# Altium PCB FPGAboard.PcbDoc (part 1 of 2) (continued)
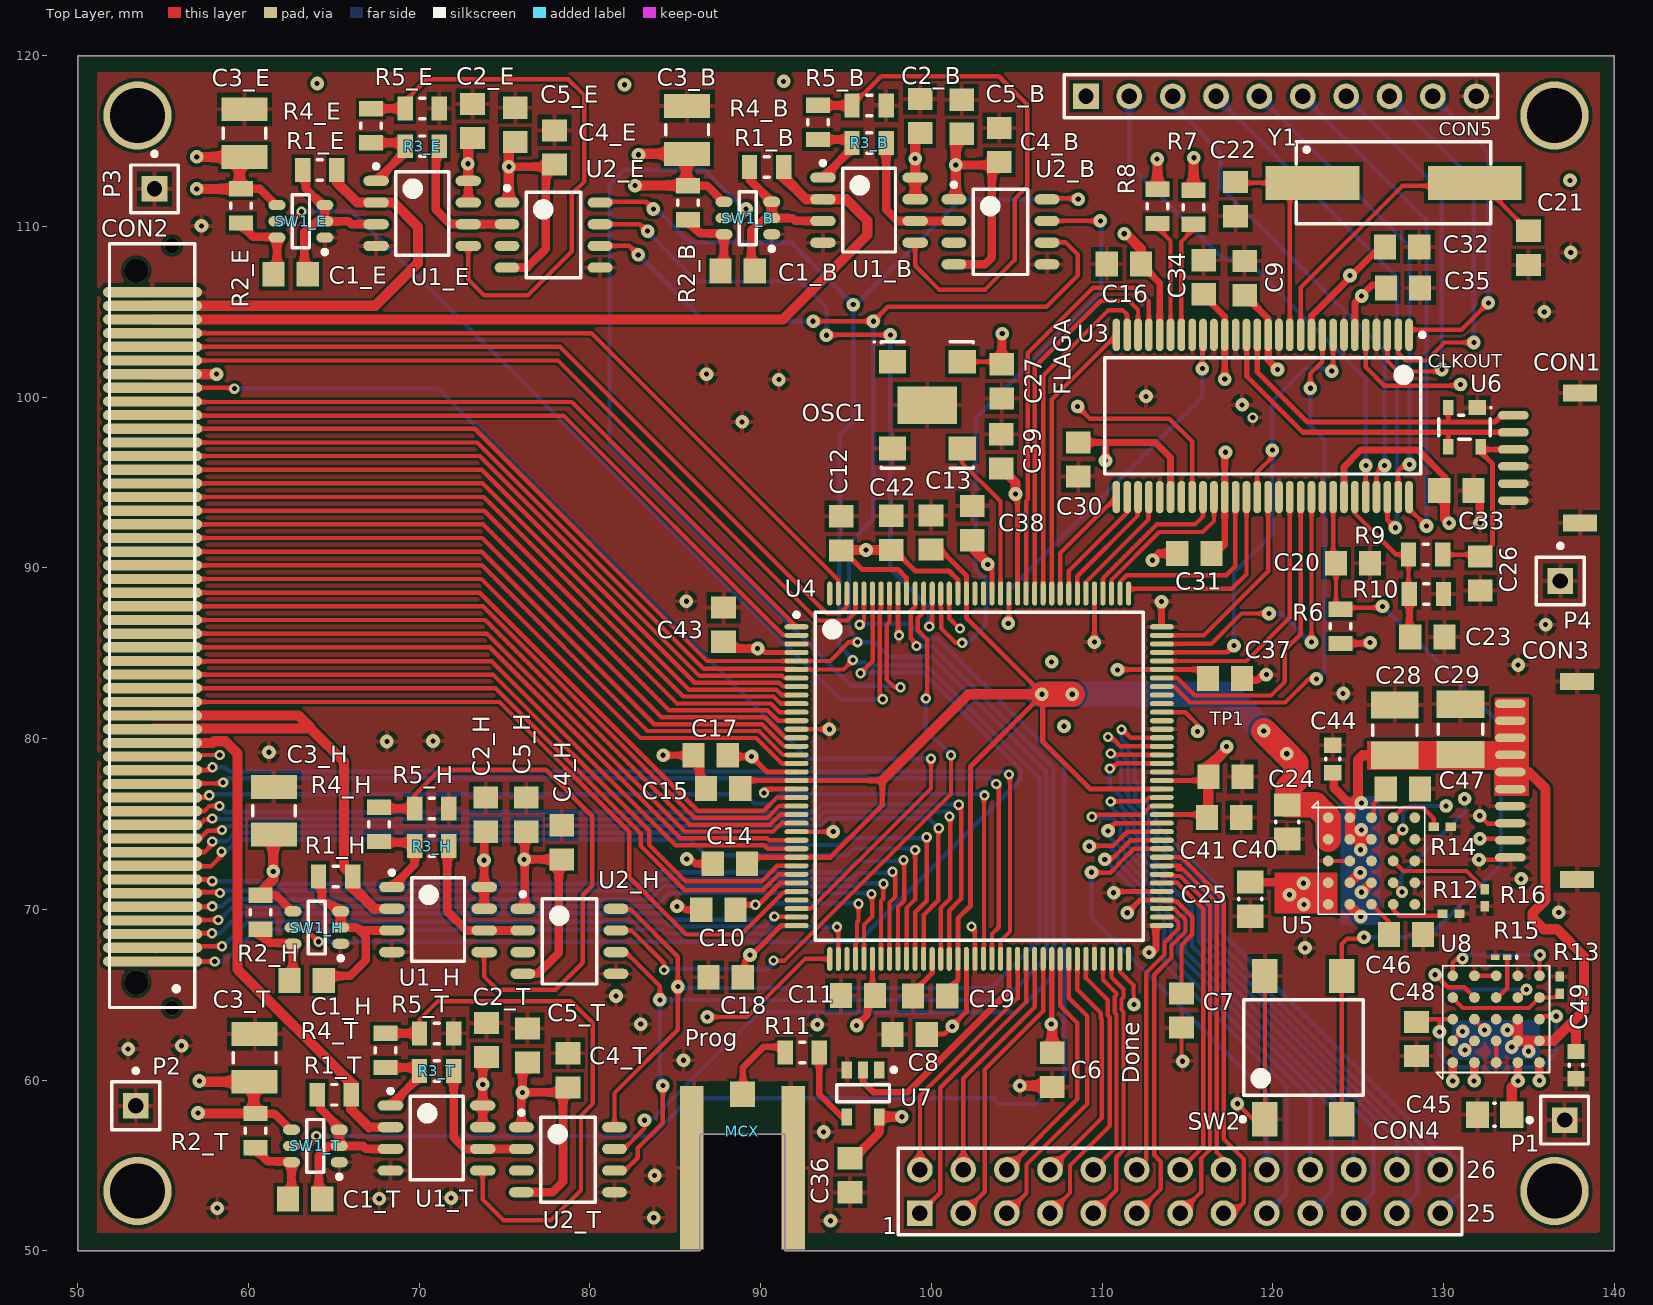
[diagram p0: Top Layer view]
## Part data (continued)
R7 R8: Case Code - in=0805, Case Code - mm=2012, Manufacturer=Vishay, Operating Temperature Range="- 55 C to + 155 C", Package / Case="0805 (2012 metric)", Power Rating="125 mW (1/8 W)", Resistance="2.2 kOhms", Supplier Part Number 1=541-2.20KCCT-ND, Temperature Coefficient="100 PPM / K", Tolerance="1 %", Voltage Rating="150 V", Brand="Vishay / Dale", ComponentLink1Description=https://datasheet.ciiva.com/11808/0900766b80d98b26-11808384.pdf, ComponentLink1URL=https://datasheet.ciiva.com/11808/0900766b80d98b26-11808384.pdf, ComponentLink2Description=https://datasheet.ciiva.com/5546/dcrcwe3-109170-5546726.pdf, ComponentLink2URL=https://datasheet.ciiva.com/5546/dcrcwe3-109170-5546726.pdf, ComponentLink3Description=https://datasheet.ciiva.com/17201/dcrcwe3-17201814.pdf, ComponentLink3URL=https://datasheet.ciiva.com/17201/dcrcwe3-17201814.pdf, ComponentLink4Description=https://datasheet.ciiva.com/7777/1697337-7777385.pdf, ComponentLink4URL=https://datasheet.ciiva.com/7777/1697337-7777385.pdf, ComponentLink5Description=https://datasheet.ciiva.com/16201/dcrcwe3-16201450.pdf, ComponentLink5URL=https://datasheet.ciiva.com/16201/dcrcwe3-16201450.pdf, ComponentLink6Description=https://datasheet.ciiva.com/7777/1720486-7777611.pdf, ComponentLink6URL=https://datasheet.ciiva.com/7777/1720486-7777611.pdf, ComponentLink7Description=https://datasheet.ciiva.com/16770/70201119-16770763.pdf, ComponentLink7URL=https://datasheet.ciiva.com/16770/70201119-16770763.pdf, ComponentLink8Description=https://datasheet.ciiva.com/2525/dcrcwe3-2525869.pdf, ComponentLink8URL=https://datasheet.ciiva.com/2525/dcrcwe3-2525869.pdf, ComponentLink9Description=https://datasheet.ciiva.com/2525/dcrcwe3-2525870.pdf, ComponentLink9URL=https://datasheet.ciiva.com/2525/dcrcwe3-2525870.pdf, ComponentLink10Description=https://datasheet.ciiva.com/3258/dcrcwe3-3258430.pdf, ComponentLink10URL=https://datasheet.ciiva.com/3258/dcrcwe3-3258430.pdf, ComponentLink11Description=https://datasheet.ciiva.com/2525/dcrcwe3-2525871.pdf, ComponentLink11URL=https://datasheet.ciiva.com/2525/dcrcwe3-2525871.pdf, ComponentLink12Description=https://datasheet.ciiva.com/3258/dcrcwe3-3258431.pdf, ComponentLink12URL=https://datasheet.ciiva.com/3258/dcrcwe3-3258431.pdf, Factory Pack Quantity=5000, Height="0.45 mm", Length="2 mm", Manufacturer Part Number=CRCW08052K20FKEA, Packaging=Reel, Pricing 1="1=0.1, 10=0.046, 100=0.0187, 1000=0.0084, 2500=0.0073 (USD)", Product="Thick Film Resistors SMD", Product Category="Thick Film Resistors - SMD", RoHS=Details, Series=CRCW, Stock 1=0, Supplier 1=Digikey, Termination Style=SMD/SMT, Unit Weight="0.000194 oz", Width="1.25 mm"
R12 R13 R14 R16: library part "RES 0402", "402 Resistor"
R15: library part "RES 0603", "603 Resistor"
SW1_B SW1_E SW1_H SW1_T: "IC LOAD SW HIGH SIDE 6SOT", Current - Output (Max)=3A, Manufacturer="Texas Instruments (TI)", Manufacturer Product Page="TPS27082LDDCR Specifications", Operating Temperature="-40°C ~ 125°C (TA)", Package / Case="SOT-23-6 Thin, TSOT-23-6", Standard Package=1, Supplier Device Package=6-SOT, Supplier Part Number 1=296-35595-1-ND, Voltage - Load="1.2 V ~ 8 V", Voltage - Supply (Vcc/Vdd)="Not Required", Category="Integrated Circuits (ICs)", ComponentLink1Description=https://datasheet.ciiva.com/6602/tps27082l-6602787.pdf, ComponentLink1URL=https://datasheet.ciiva.com/6602/tps27082l-6602787.pdf, ComponentLink2Description=https://datasheet.ciiva.com/6602/tps27082l-6602790.pdf, ComponentLink2URL=https://datasheet.ciiva.com/6602/tps27082l-6602790.pdf, ComponentLink3Description=https://datasheet.ciiva.com/26909/getdatasheetpartid-700474-26909275.pdf, ComponentLink3URL=https://datasheet.ciiva.com/26909/getdatasheetpartid-700474-26909275.pdf, EDA / CAD Models="Download from Accelerated Designs", Family="PMIC - Power Distribution Switches, Load Drivers", Features="Slew Rate Controlled", Interface=On/Off, Manufacturer Part Number=TPS27082LDDCR, Number of Outputs=1, Online Catalog="General Purpose", Other Names=296-35595-6, Output Configuration="High Side", Output Type=P-Channel, Packaging=Digi-Reel®, Pricing 1="1=0.54, 10=0.46, 100=0.3432, 500=0.2697, 1000=0.2084 (USD)", Ratio - Input:Output=1:1, Rds On (Typ)="32 mOhm", Stock 1=0, Supplier 1=Digikey, Switch Type="General Purpose"
SW2: "SWITCH TACTILE SPST-NO 0.05A 12V", Actuator Color=N/A, Contact Rating @ Voltage="0.05@12VDC A", Dielectric Strength="250 VAC", Manufacturer="ITT /  C&K Components", Manufacturer Part Number=PTS645SM43SMTR92LFS, Maximum Contact Resistance="100 mOhm", Maximum DC Voltage Rating="12 V", Minimum Insulation Resistance="100000 MOhm", Operating Force="1.57 N", Operating Temperature="-20 to 60 C", Supplier Part Number 1=CKN9112CT-ND, Actuator Length="0.85 mm", Actuator Style="Round Button", Base Material=N/A, Body Orientation=Straight, ComponentLink1Description=https://datasheet.ciiva.com/29903/getdatasheetpartid-786341-29903846.pdf, ComponentLink1URL=https://datasheet.ciiva.com/29903/getdatasheetpartid-786341-29903846.pdf, ComponentLink2Description=https://datasheet.ciiva.com/14920/pts645-14920733.pdf, ComponentLink2URL=https://datasheet.ciiva.com/14920/pts645-14920733.pdf, ComponentLink3Description=https://datasheet.ciiva.com/14920/pts645-14920734.pdf, ComponentLink3URL=https://datasheet.ciiva.com/14920/pts645-14920734.pdf, ComponentLink4Description=https://datasheet.ciiva.com/14920/pts645-14920735.pdf, ComponentLink4URL=https://datasheet.ciiva.com/14920/pts645-14920735.pdf, ComponentLink5Description=https://datasheet.ciiva.com/29931/getdatasheetpartid-764615-29931183.pdf, ComponentLink5URL=https://datasheet.ciiva.com/29931/getdatasheetpartid-764615-29931183.pdf, Contact Material=N/A, Contact Plating=Silver, Dimension="6 x 9 x 4.3 mm", Electrical Life=N/A, Family=PTS645, Ground Terminal=No, Housing Material=N/A, Illumination Type=N/R, Maximum AC Voltage Rating=N/A, Mechanical Life="100000 Cycles", Mounting="Surface Mount,Gull Wing", Packaging="Tape and Reel", Part No=PTS645SM43SMTR92LFS, Pole Throw Configuration=SPST, Pricing 1="1=0.15, 10=0.147, 25=0.1416, 50=0.1366, 100=0.129, 250=0.1214, 500=0.1164 (USD)", Product Weight=N/A, RoHS=Yes, Seal Description=N/A, Seal Location=N/A, Stock 1=468020, Supplier 1="C&K Components", Supplier Standard Pack=1,000, Switch Configuration=N.O., Type=N/A
U1_B U1_E U1_H U1_T: "IC OPAMP INSTR 35MHZ RRO 8SOIC", Dual Supply Voltage (Max)="Not RequiredV", Input Offset Voltage=500uV, Manufacturer=Microchip, Operating Temperature Classification=Automotive, Operating Temp Range="-40C to 125C", Package Type="SOIC N", Power Supply Rejection Ratio=81dB, Power Supply Requirement=Single, Single Supply Voltage (Max)=5.5V, Single Supply Voltage (Min)=1.8V, Single Supply Voltage (Typ)=3.3/5V, Supplier Part Number 1=MCP6N11-010E/SN-ND, Voltage Gain dB=20dB, Common Mode Rejection Ratio=79dB, ComponentLink1Description=https://datasheet.ciiva.com/2976/25073a-2976288.pdf, ComponentLink1URL=https://datasheet.ciiva.com/2976/25073a-2976288.pdf, ComponentLink2Description=https://datasheet.ciiva.com/1486/1503745-1486594.pdf, ComponentLink2URL=https://datasheet.ciiva.com/1486/1503745-1486594.pdf, ComponentLink3Description=https://datasheet.ciiva.com/1486/1503745-1486355.pdf, ComponentLink3URL=https://datasheet.ciiva.com/1486/1503745-1486355.pdf, ComponentLink4Description=https://datasheet.ciiva.com/4754/25073a-75155-4754501.pdf, ComponentLink4URL=https://datasheet.ciiva.com/4754/25073a-75155-4754501.pdf, ComponentLink5Description=https://datasheet.ciiva.com/1802/25073a-1802844.pdf, ComponentLink5URL=https://datasheet.ciiva.com/1802/25073a-1802844.pdf, ComponentLink6Description=https://datasheet.ciiva.com/14180/mcp6n11-eng-tds-14180237.pdf, ComponentLink6URL=https://datasheet.ciiva.com/14180/mcp6n11-eng-tds-14180237.pdf, ComponentLink7Description=https://datasheet.ciiva.com/16294/filehandler-aspxddocname-en555932-16294590.pdf, ComponentLink7URL=https://datasheet.ciiva.com/16294/filehandler-aspxddocname-en555932-16294590.pdf, Dual Supply Voltage (Min)="Not RequiredV", Dual Supply Voltage (Typ)="Not RequiredV", Manufacturer Part Number=MCP6N11-010E/SN, Mounting="Surface Mount", Number of Channels=1, Number of  Elements=2, Packaging=Rail/Tube, Pin Count=8, Pricing 1="1=1.43, 25=1.198, 100=1.0812 (USD)", Rail/Rail I/O Type="Rail to Rail Input/Output", Stock 1=314, Supplier 1=Digi-Key, Type="Instrumentation Amplifier", Unity Gain Bandwidth Product (Typ)=5MHz
U2_B U2_E U2_H U2_T: "IC ADC 12BIT SERIAL 8-SOIC", Manufacturer=Maxim, Package="8SOIC N", Polarity of Input Voltage=Unipolar, Supplier Part Number 1=MAX1240CESA+-ND, Architecture=SAR, Category=ADC, ComponentLink1Description=https://datasheet.ciiva.com/14260/max1240-max1241-14260953.pdf, ComponentLink1URL=https://datasheet.ciiva.com/14260/max1240-max1241-14260953.pdf, ComponentLink2Description=https://datasheet.ciiva.com/1317/max1240-max1241-1317695.pdf, ComponentLink2URL=https://datasheet.ciiva.com/1317/max1240-max1241-1317695.pdf, Digital Interface Type="Serial (3-Wire, SPI, QSPI, Microwire)", Input Type=Voltage, Manufacturer Part Number=MAX1240CESA+, Number of Analog Inputs=1, Pricing 1="1=7.97, 10=7.572, 50=7.5226 (USD)", Resolution="12 Bit", Sampling Rate="73 ksps", Stock 1=187, Supplier 1=Digikey
U3: "IC MCU USB PERIPH HI SPD 56SSOP", Manufacturer=Cypress, Maximum Clock Frequency="48 MHz", Maximum Operating Temperature="+ 70 C", Minimum Operating Temperature="0 C", Operating Supply Voltage="3 V to 3.6 V", Operating Temperature Range="0 C to + 70 C", Package / Case=SSOP-56, Supplier Part Number 1=428-1673-ND, Supply Voltage - Max="3.6 V", Supply Voltage - Min="3 V", ComponentLink1Description=https://datasheet.ciiva.com/7627/43447-7627897.pdf, ComponentLink1URL=https://datasheet.ciiva.com/7627/43447-7627897.pdf, ComponentLink2Description=https://datasheet.ciiva.com/5824/43447-5824174.pdf, ComponentLink2URL=https://datasheet.ciiva.com/5824/43447-5824174.pdf, ComponentLink3Description=https://datasheet.ciiva.com/26821/cy7c68014a-56pvxc-26821370.pdf, ComponentLink3URL=https://datasheet.ciiva.com/26821/cy7c68014a-56pvxc-26821370.pdf, Core=8051, Data Bus Width="8 bit/16 bit", Data RAM Size="16 KB", Factory Pack Quantity=26, Interface Type="GPIF, I2C, USART", Manufacturer Part Number=CY7C68014A-56PVXC, Mounting Style=SMD/SMT, Number of Programmable I/Os=24, Number of Timers=3, On-Chip ADC=No, Packaging=Tube, Pricing 1="1=13.46, 10=12.24, 52=11.3219, 104=10.404, 260=9.486, 520=8.874, 1040=8.1396 (USD)", Processor Series=CY7C68xx, Product Category="8-bit Microcontrollers - MCU", Program Memory Type=ROMLess, RoHS=Details, Stock 1=503, Supplier 1=Digikey
U4: "IC FPGA 102 I/O 144TQFP", Manufacturer=Xilinx, Operating Temperature="-40°C ~ 100°C (TJ)", Package / Case=144-LQFP, Standard Package=1, Supplier Device Package="144-TQFP (20x20)", Supplier Part Number 1=122-1748-ND, Voltage - Supply="1.14 V ~ 1.26 V", Category="Integrated Circuits (ICs)", ComponentLink1Description=https://datasheet.ciiva.com/1442/ds160-1442503.pdf, ComponentLink1URL=https://datasheet.ciiva.com/1442/ds160-1442503.pdf, Family="Embedded - FPGAs (Field Programmable Gate Array)", For Use With="1286-1046-ND                                                          - BOARD CMOD S6 FPGA 48DIP                                                     102990017-ND                                                          - PAPILIO PRO                                                     DEV-11953-ND                                                          - DEV BOARD MOJO V3 FPGA", Manufacturer Part Number=XC6SLX9-3TQG144I, Mounting Type="Surface Mount", Number of Gates=-, Number of I/O=102, Number of LABs/CLBs=715, Number of Logic Elements/Cells=9152, Online Catalog="Spartan®-6 LX", Other Names="122-1748  XC6SLX9-3TQG144I-ND  XC6SLX93TQG144I", PCN Design/Specification="Shipping Tray TQ144 and TQG144 12/Aug/2013", Pricing 1="1=20.86 (USD)", Product Training Modules="S6 Family Overview", Series="Spartan® 6 LX", Stock 1=2437, Supplier 1=Digikey, Total RAM Bits=589824
U5 U8: library part LTM4622, "Dual Ultrathin 2.5A or Single 5A Step-Down DC/DC µModule Regulator", Ref=LTM4622IV#PBF
U6: "TVS DIODE 5.5VWM SOT143B", Capacitance Value=16pF, ESD Protection Voltage="8KV@Contact Disc", Leakage Current=0.1uA, Manufacturer="NXP Semiconductors", Operating Temperature Classification=Industrial, Operating Temperature Max Deg. C=85C, Operating Temperature Min Deg. C=-40C, Operating Temp Range="-40C to 85C", Package / Case=SOT, Reverse Breakdown Voltage="6 V", Reverse Stand-off Voltage="5.5 V", Supplier Part Number 1=1727-3884-1-ND, Working Voltage=5.5V, ComponentLink1Description=https://datasheet.ciiva.com/4479/prtr5v0u2x-102853-4479461.pdf, ComponentLink1URL=https://datasheet.ciiva.com/4479/prtr5v0u2x-102853-4479461.pdf, ComponentLink2Description=https://datasheet.ciiva.com/16199/prtr5v0u2x-16199605.pdf, ComponentLink2URL=https://datasheet.ciiva.com/16199/prtr5v0u2x-16199605.pdf, ComponentLink3Description=https://datasheet.ciiva.com/28409/109718-28409830.pdf, ComponentLink3URL=https://datasheet.ciiva.com/28409/109718-28409830.pdf, ComponentLink4Description=https://datasheet.ciiva.com/6918/109718-6918650.pdf, ComponentLink4URL=https://datasheet.ciiva.com/6918/109718-6918650.pdf, ComponentLink5Description=https://datasheet.ciiva.com/335/prtr5v0u2x-335467.pdf, ComponentLink5URL=https://datasheet.ciiva.com/335/prtr5v0u2x-335467.pdf, ComponentLink6Description=https://datasheet.ciiva.com/25919/prtr5v0u2x-25919147.pdf, ComponentLink6URL=https://datasheet.ciiva.com/25919/prtr5v0u2x-25919147.pdf, ComponentLink7Description=https://datasheet.ciiva.com/11193/prtr5v0u2x-11193230.pdf, ComponentLink7URL=https://datasheet.ciiva.com/11193/prtr5v0u2x-11193230.pdf, ComponentLink8Description=https://datasheet.ciiva.com/31402/109718-31402206.pdf, ComponentLink8URL=https://datasheet.ciiva.com/31402/109718-31402206.pdf, ComponentLink9Description=https://datasheet.ciiva.com/26787/prtr5v0u2x-215-26787348.pdf, ComponentLink9URL=https://datasheet.ciiva.com/26787/prtr5v0u2x-215-26787348.pdf, Configuration=Quad, Direction Type=Uni-Directional, Leakage Current (Max)=0.1uA, Manufacturer Part Number=PRTR5V0U2X,215, Mounting="Surface Mount", Mounting Style="Surface Mount", Number of  Elements=1, Package Type=SOT, Packaging="Tape and Reel", Pin Count="3 +Tab", Polarity=Uni-Directional, Pricing 1="1=0.52, 10=0.447, 100=0.334, 500=0.2624, 1000=0.2028 (USD)", Product Depth (mm)="1.4 mm", Product Height (mm)="1 mm", Product Length (mm)="3 mm", Rad Hardened=No, Stock 1=73838, Supplier 1=Digi-Key, Suppressor Type="Diode Arrays", Working Voltage (Max)=5.5V
U7: "IC SNGL INVERTER GATE", Current - Output High, Low="32mA, 32mA", Current - Quiescent (Max)=10µA, Manufacturer="Texas Instruments", Operating Temperature="-40°C ~ 125°C", Package / Case="SC-74A, SOT-753", Standard Package=1, Supplier Device Package=SOT-23-5, Supplier Part Number 1=296-26588-1-ND, Voltage - Supply="1.65 V ~ 5.5 V", Category="Integrated Circuits (ICs)", ComponentLink1Description=https://datasheet.ciiva.com/1864/sn74lvc1g04-q1-1864823.pdf, ComponentLink1URL=https://datasheet.ciiva.com/1864/sn74lvc1g04-q1-1864823.pdf, ComponentLink2Description=https://datasheet.ciiva.com/1864/sn74lvc1g04-q1-1864824.pdf, ComponentLink2URL=https://datasheet.ciiva.com/1864/sn74lvc1g04-q1-1864824.pdf, ComponentLink3Description=https://datasheet.ciiva.com/1864/sn74lvc1g04-q1-1864825.pdf, ComponentLink3URL=https://datasheet.ciiva.com/1864/sn74lvc1g04-q1-1864825.pdf, ComponentLink4Description=https://datasheet.ciiva.com/4219/sces482d-4219660.pdf, ComponentLink4URL=https://datasheet.ciiva.com/4219/sces482d-4219660.pdf, ComponentLink5Description=https://datasheet.ciiva.com/26044/sn74lvc1g04-q1-26044156.pdf, ComponentLink5URL=https://datasheet.ciiva.com/26044/sn74lvc1g04-q1-26044156.pdf, ComponentLink6Description=https://datasheet.ciiva.com/15089/getdatasheetpartid-190022-15089373.pdf, ComponentLink6URL=https://datasheet.ciiva.com/15089/getdatasheetpartid-190022-15089373.pdf, Dynamic Catalog=74LVC, Family="Logic - Gates and Inverters", Features=-, Logic Level - High="1.7 V ~ 2 V", Logic Level - Low="0.7 V ~ 0.8 V", Logic Type="Inverter, Buffer", Manufacturer Part Number=SN74LVC1G04QDBVRQ1, Max Propagation Delay @ V, Max CL="3.7ns @ 5V, 50pF", Mounting Type="Surface Mount", Number of Circuits=1, Number of Inputs=1, Other Names=296-26588-6, Packaging=Digi-Reel®, Pricing 1="1=0.35, 10=0.286, 100=0.1945, 500=0.1458, 1000=0.1094 (USD)", Series=74LVC, Stock 1=4515, Supplier 1=Digi-Key
Y1: library part AT-24.000MAGE-T, "24MHz ±30ppm Crystal 12pF 50 Ohm -40°C ~ 85°C AEC-Q200 Surface Mount HC49/US", ESR (Equivalent Series Resistance)="50 Ohm", Frequency=24MHz, Frequency Stability=±50ppm, Frequency Tolerance=±30ppm, Load Capacitance=12pF, Manufacturer=TXC, Operating Mode=Fundamental, Operating Temperature="-40°C ~ 85°C", Package / Case=HC49/US, Ratings=AEC-Q200, Standard Package=1, Supplier Part Number 1=887-1613-1-ND, Category="Crystals and Oscillators", ComponentLink1Description=https://datasheet.ciiva.com/4946/at-automotive-3382-4946832.pdf, ComponentLink1URL=https://datasheet.ciiva.com/4946/at-automotive-3382-4946832.pdf, ComponentLink2Description=https://datasheet.ciiva.com/8047/1639142-8047989.pdf, ComponentLink2URL=https://datasheet.ciiva.com/8047/1639142-8047989.pdf, ComponentLink3Description=https://datasheet.ciiva.com/6728/at-automotive-6728858.pdf, ComponentLink3URL=https://datasheet.ciiva.com/6728/at-automotive-6728858.pdf, ComponentLink4Description=https://datasheet.ciiva.com/6728/at-automotive-6728859.pdf, ComponentLink4URL=https://datasheet.ciiva.com/6728/at-automotive-6728859.pdf, ComponentLink5Description=https://datasheet.ciiva.com/6728/at-automotive-6728860.pdf, ComponentLink5URL=https://datasheet.ciiva.com/6728/at-automotive-6728860.pdf, Family=Crystals, Height="0.161\" (4.10mm)", Manufacturer Part Number=AT-24.000MAGE-T, Mounting Type="Surface Mount", Online Catalog="AT Series", Other Names=887-1613-6, Packaging=Digi-Reel®, Pricing 1="1=0.66, 10=0.55, 50=0.495, 100=0.44, 500=0.418 (USD)", Series=AT, Size / Dimension="0.449\" L x 0.189\" W (11.40mm x 4.80mm)", Stock 1=380, Supplier 1=Digikey, Type="MHz Crystal"
P1 P2 P3 P4: LatestRevisionDate=17-Jul-2002, LatestRevisionNote="Re-released for DXP Platform.", Publisher="Altium Limited"

## Free pads (board coordinates)
  round 0.8 hole 0.3: 3(130.15,76.056) 3(131.236,76.479)
  round 4 hole 3.2: MH1(53.5,53.5) MH1(53.5,116.5) MH1(136.5,53.5) MH1(136.5,116.5)

## Via types
v1: diameter 0.8, hole 0.3, Top Layer to Bottom Layer, 160 vias
v2: diameter 0.6, hole 0.3, Top Layer to Bottom Layer, 61 vias
v3: diameter 0.7, hole 0.3, Top Layer to Bottom Layer, 5 vias
v4: diameter 1.42, hole 1.42, Top Layer to Bottom Layer, 2 vias
v5: diameter 0.9, hole 0.9, Top Layer to Bottom Layer, 2 vias

## Nets (pads, with @x,y where several pads share a name; then routed paths per layer and width w, separated by ;. In a path a pad name is that pad's centre, name@x,y a point inside that pad or via, vN(x,y) a via of type N, cw(c..) or ccw(c..) an arc to the next point about the centre after c; other vN are vias at no path point)
1V2P: C13.1 C14.1 C15.1 C19.1 C24.2 U4.19 U4.28 U4.52 U4.89 U4.128 U5.A1 U5.B1 | length 99.5
  Top Layer w0.254: C15.1@88.969,76.836 89.275,77.141 C15.1@89.275,77.55 ; C14.1@89.275,73.1 C14.1@89.325,73.05 ; C13.1@100,90.975 C13.1@100.625,90.975 ; C19.1@100.925,64.925 C19.1@100.925,65.25 ; v1@106.45,82.6 v1(106.475,82.6) v1@106.525,82.6
  Top Layer w0.3: C15.1@89.275,77.55 U4.19@92.1,77.55 97.125,77.55 97.125,76.1 94.075,73.05 U4.28@92.1,73.05 C14.1@89.325,73.05 ; C13.1@100.625,90.975 102.05,89.55 U4.128@102.05,88.5 102.05,87.075 v1@106.525,82.6 ; C19.1@100.925,65.25 101.55,65.875 U4.52@101.55,66.55 ; U4.52@101.55,67.1 101.55,69.475 102.286,70.211 102.286,78.361 v1@106.525,82.6 ; U4.89@113.5,77.05 109.3,77.05 106.525,79.825 v1@106.525,82.6
  Top Layer w0.6: 97.125,77.55 102.175,82.6 v1@106.45,82.6
  Top Layer w1.5: v1@106.525,82.6 v1(108.25,82.6) ; v1(119.472,80.457) v1(120.815,79.114) 121.35,78.579 121.35,77.572 120.865,77.087 120.865,76.141 C24.2@120.84,76.117 122.5,76.117 U5.A1@123.241,75.376 U5.B1@123.241,74.106
  Bottom Layer w1.5: v1@106.3,82.6 v1(106.475,82.6) v1(108.25,82.6) 117.329,82.6 v1(119.472,80.457) v1(120.815,79.114)
3V3P: C4_B.1 C4_E.1 C4_H.1 C4_T.1 C5_B.1 C5_E.1 C5_H.1 C5_T.1 C6.1 C7.1 C8.1 C9.1 C10.1 C11.1 C12.1 C16.1 C17.1 C18.1 C25.2 C27.1 C30.1 C31.1 C32.1 C33.1 C34.1 C35.1 C36.1 C37.1 C38.1 C39.1 C40.1 C41.1 C42.1 C43.1 CON2.44 CON5.1 OSC1.4 R6.1 R7.1 R8.1 U2_B.1 U2_B.4 U2_E.1 U2_E.4 U2_H.1 U2_H.4 U2_T.1 U2_T.4 U3.6 U3.10 U3.14 U3.18 U3.24 U3.34 U3.39 U3.50 U4.4 U4.18 U4.20 U4.31 U4.36 U4.42 U4.53 U4.63 U4.76 U4.86 U4.90 U4.103 U4.122 U4.125 U4.129 U4.135 U5.D1 U5.E1 U7.5 | length 220.9
  Top Layer w0.254: U2_E.1@75.145,111.4 U2_E.1@75.25,111.505 ; v1@75.99,59.215 v1(76.05,59.275) ; C5_T.1@76.05,60.736 C5_T.1@76.341,61.027 ; U2_H.1@76.075,70.035 U2_H.1@76.18,70.14 ; v1(76.15,72.925) v1@76.18,72.925 ; C4_E.1@77.8,113.5 C4_E.1@77.925,113.625 ; C4_T.1@78.425,59.725 C4_T.1@78.742,60.042 ; C43.1@87.825,85.675 87.975,85.825 C43.1@88.425,85.375 ; C17.1@88.075,79.025 C17.1@88.15,78.95 ; C10.1@88.525,69.975 C10.1@88.525,70.325 ; v1(89.825,85.275) v1@89.925,85.375 ; v2(90.2,76.825) 90.2,76.974 v2@90.276,77.05 ; C11.1@96.55,65.1 C11.1@96.7,64.95 ; v1@101.2,63.15 v1(101.225,63.15) ; U2_B.1@101.32,111.59 U2_B.1@101.425,111.695 ; OSC1.4@101.8,102.075 103.975,102.075 C27.1@104.125,101.925 ; C4_B.1@103.55,113.6 103.671,113.6 C4_B.1@103.971,113.9 ; v1@104.125,103.7 v1(104.15,103.725) ; U4.76@113.5,70.55 113.573,70.477 114.37,70.477 115.285,69.562 115.285,68.538 114.649,67.902 C7.1@114.649,65.077 ; C37.1@115.9,84.05 C37.1@116.625,83.325 ; C41.1@115.975,75.55 C41.1@116.15,75.375 C41.1@116.225,75.45 ; C40.1@115.975,77.55 C40.1@116.225,77.8 ; 120.241,71.598 v1(120.982,70.857) ; C33.1@130.1,94.6 C33.1@130.125,94.575
  Top Layer w0.3: C18.1@89.075,66.525 89.075,67.025 v1(89.375,67.325) 89.488,67.325 91.213,69.05 U4.36@92.1,69.05 ; v1(89.475,78.95) 90.375,78.05 U4.18@92.1,78.05 ; v2(89.688,70.271) 89.837,70.271 89.854,70.253 91.15,71.55 U4.31@92.1,71.55 ; v1@89.925,85.375 90.25,85.05 U4.4@92.1,85.05 ; v2@90.276,77.05 U4.20@92.1,77.05 ; C12.1@95.062,90.787 95.95,89.9 98.05,89.9 98.55,89.4 U4.135@98.55,88.5 ; C11.1@96.25,64.5 C11.1@96.7,64.95 ; C11.1@96.55,65.1 U4.42@96.55,67.1 ; C42.1@97.825,91.05 99.05,89.825 101.029,89.825 101.55,89.304 U4.129@101.55,88.5 ; C8.1@99.4,62.7 100.75,62.7 v1@101.2,63.15 ; v1(101.225,63.15) 101.225,63.175 102.05,64 U4.53@102.05,67.1 ; v1(103.305,90.204) 103.321,90.204 103.55,89.975 U4.125@103.55,88.5 ; v1(104.925,94.325) 105.05,94.2 U4.122@105.05,88.5 ; U4.63@107.05,67.1 107.05,63.25 v1@107.075,63.225 ; v1@110.925,84.05 U4.103@113.5,84.05 C37.1@115.9,84.05 ; v1(111.475,69.8) 112.225,70.55 U4.76@113.5,70.55 ; U4.86@113.5,75.55 C41.1@115.975,75.55 ; U4.90@113.5,77.55 C40.1@115.975,77.55
  Top Layer w0.4: C17.1@88.15,78.95 v1(89.475,78.95) ; C10.1@88.525,70.325 88.597,70.253 88.614,70.271 v2(89.688,70.271) ; C12.1@95.062,90.787 C12.1@95.325,91.05 ; v1(95.625,63.2) 96.25,63.825 C11.1@96.25,64.5 ; C42.1@97.65,91.05 C42.1@97.825,91.05 ; C30.1@108.6,97.35 110.042,97.35 ; v1(110.204,96.281) 110.204,97.188 110.042,97.35 ; v1(110.9,84.025) v1@110.925,84.05 ; v1(111.3,109.575) v1@111.4,109.575 ; C16.1@112.275,107.8 113.375,106.7 U3.24@113.375,103.65 ; v1(113.225,113.95) v1@113.25,113.925 ; U3.34@114.01,94.15 114.01,96.463 113.123,97.35 110.042,97.35 ; v1@115.35,114 v1(115.375,114.025) ; C34.1@115.85,106.05 117.185,104.715 U3.18@117.185,103.65 v1(117.185,101.06) ; C31.1@116.65,90.85 117.185,91.385 U3.39@117.185,94.15 v1@117.185,96.735 ; C9.1@118.35,105.975 119.725,104.6 U3.14@119.725,103.65 119.725,102.175 v1(120.275,101.625) ; U3.10@122.265,103.65 122.265,104.765 C32.1@126.438,108.938 ; R6.1@123.975,85.575 125.65,85.575 v1(125.7,85.625) ; U3.50@124.17,94.15 124.17,95.922 125.148,96.9 128.5,96.9 130.1,95.3 C33.1@130.1,94.6 ; U3.6@124.805,103.65 124.805,105.555 125.822,106.572 C35.1@126.338,106.572
  Top Layer w0.5: U2_E.4@75.145,107.59 76.316,107.59 77.425,108.699 77.425,113.125 77.8,113.5 v1(75.25,113.5) ; U2_E.1@75.145,111.4 U2_E.1@75.345,111.4 ; U2_T.1@75.715,57.24 U2_T.1@76.19,57.24 ; U2_T.4@75.99,53.43 77.81,53.43 78.425,54.045 C4_T.1@78.425,59.275 ; U2_T.1@75.99,57.24 v1@75.99,59.215 ; C5_T.1@76.05,60.736 v1(76.05,59.275) C4_T.1@78.425,59.275 ; U2_H.4@76.075,66.225 76.95,66.225 78.175,67.45 C4_H.1@78.175,72.425 ; U2_H.1@76.075,70.035 U2_H.1@76.275,70.035 ; U2_H.1@76.18,70.14 v1@76.18,72.925 ; C5_H.1@76.18,74.35 v1@76.18,72.925 ; C4_H.1@78.35,72.925 v1@76.18,72.925 ; C4_T.1@78.425,59.725 C4_T.1@78.425,59.275 ; C4_H.1@78.43,72.58 C4_H.1@78.43,73.01 ; C4_T.1@78.509,59.275 C4_T.1@78.425,59.275 ; C43.1@88.425,85.375 88.525,85.275 v1(89.825,85.275) ; C36.1@95.457,55.425 96.95,56.918 U7.5@96.95,57.85 ; U2_B.4@101.32,107.78 103.14,107.78 103.55,108.19 103.55,113.6 v1(101.425,113.6) ; U2_B.1@101.32,111.59 U2_B.1@101.52,111.59 ; C5_B.1@101.425,115.225 C5_B.1@101.825,115.625 ; C27.1@104.125,101.925 v1@104.125,103.7 ; C25.2@118.679,71.598 120.241,71.598
  Top Layer w0.6: CON2.44@54.375,101.35 v1(58.125,101.35) ; U2_E.1@75.25,111.505 v1(75.25,113.5) C5_E.1@75.25,115.025 ; C12.1@95.325,91.05 C42.1@97.65,91.05 ; U7.5@96.95,57.85 v1(98.275,57.85) ; U2_B.1@101.425,111.695 v1(101.425,113.6) C5_B.1@101.425,115.225 ; C38.1@102.475,91.1 103.35,90.225 103.329,90.204 v1@103.321,90.204 ; C39.1@104.1,95.825 104.925,95 v1(104.925,94.325) ; C6.1@107.075,61.725 v1@107.075,63.225 ; v1@111.4,109.575 112.275,108.7 C16.1@112.275,107.8 ; R8.1@113.25,112.175 v1@113.25,113.925 ; R7.1@115.35,112.125 v1@115.35,114 ; C41.1@116.225,75.45 116.225,77.8 116.225,78.338 117.296,79.409 v1(117.296,79.529) ; v1@117.185,96.735 v1(117.225,96.775) ; C33.1@129.715,94.152 130.086,93.781 130.086,92.864 v1(130.325,92.625)
  Bottom Layer w0.4: v1@111.2,109.675 v1(111.3,109.575)
  other v1: 107.025,63.275 121.817,70.289 121.799,71.533 96.175,91.05 125.2,105.925 124.525,107.125
5VP: C2_B.1 C2_E.1 C2_H.1 C2_T.1 C3_B.1 C3_E.1 C3_H.1 C3_T.1 C45.2 R2_B.1 R2_E.1 R2_H.1 R2_T.1 SW1_B.4 SW1_E.4 SW1_H.4 SW1_T.4 U1_B.7 U1_B.8 U1_E.7 U1_E.8 U1_H.7 U1_H.8 U1_T.7 U1_T.8 U8.A1 U8.B1 U8.D1 U8.E1 | length 59.7
  Top Layer w0.254: C3_H.1@61.3,74.275 C3_H.1@61.35,74.225 ; 72.875,114.5 C2_E.1@73.175,114.8 ; U8.A1@130.538,61.026 U8.A1@130.54,61.028 ; v1(131.793,59.955) v1@131.81,59.972 ; U8.D1@134.35,61.028 U8.D1@134.357,61.02 ; U8.E1@135.611,61.019 U8.E1@135.62,61.028
  Top Layer w0.5: R2_E.1@59.475,112.2 60.675,112.2 SW1_E.4@61.675,111.2 ; R2_T.1@60.32,58.04 61.52,58.04 SW1_T.4@62.52,57.04 ; R2_H.1@60.405,70.835 61.605,70.835 SW1_H.4@62.605,69.835 ; U1_E.7@72.875,111.4 U1_E.8@72.875,112.67 ; U1_T.7@73.72,57.24 U1_T.8@73.72,58.51 v1(73.72,59.75) C2_T.1@73.72,61.275 ; U1_H.7@73.805,70.035 U1_H.8@73.805,71.305 73.805,72.87 v1(73.8,72.875) 73.8,73.84 73.805,73.845 ; R2_B.1@85.75,112.39 86.85,112.39 SW1_B.4@87.85,111.39 ; v1(130.538,59.947) U8.A1@130.538,61.026 ; v1@131.81,59.972 U8.B1@131.81,61.028 ; v1(134.357,59.955) U8.D1@134.357,61.02 ; v1(135.611,59.97) U8.E1@135.611,61.019
  Top Layer w0.6: v1(56.975,112.2) R2_E.1@59.575,112.2 ; v1(56.975,114.075) 56.985,114.065 C3_E.1@59.475,114.065 ; v1(57.045,58.075) 57.01,58.04 R2_T.1@60.42,58.04 ; v1(57.125,59.95) 57.17,59.905 C3_T.1@60.32,59.905 ; R2_E.1@59.475,112.2 C3_E.1@59.475,114.065 ; C3_E.1@59.775,114.065 C3_E.1@59.475,114.065 ; R2_T.1@60.32,58.04 C3_T.1@60.32,59.905 ; C3_T.1@60.365,59.905 C3_T.1@60.32,59.905 ; R2_H.1@60.586,70.901 61.45,71.765 v1(61.45,72.225) 61.45,74.015 61.295,74.17 C3_H.1@61.35,74.225 ; U1_E.8@72.875,112.67 72.875,114.5 ; v1(82.64,112.39) 83.066,112.39 83.08,112.404 R2_B.1@85.65,112.404 ; v1(82.85,114.2) 82.905,114.255 C3_B.1@85.65,114.255 ; C3_B.1@85.695,114.255 C3_B.1@85.65,114.255 ; R2_B.1@85.75,112.39 85.736,112.404 R2_B.1@85.65,112.404 ; U1_B.7@99.05,111.59 U1_B.8@99.05,112.86 v1(99.05,113.975) C2_B.1@99.05,115.575 ; C45.2@133.994,57.981 133.994,59.592 v1(134.357,59.955) ; R2_B.1@85.65,112.404 C3_B.1@85.65,114.255
  other v1: 72.85,113.675
5VP_EDFA: CON2.49 R1_E.2 U1_E.2 | length 25.3
  Top Layer w0.6: CON2.49@54.375,105.35 67.425,105.35 69.925,107.85 69.925,109.975 68.5,111.4 66.375,111.4 65.175,112.6 R1_E.2@65.175,113.4
5VP_HEATER: CON2.18 CON2.19 R1_H.2 U1_H.2 | length 32.1
  Top Layer w0.5: 67.365,70.035 U1_H.2@68.405,70.035
  Top Layer w0.6: CON2.18@54.375,80.55 54.415,80.59 63.66,80.59 ; CON2.19@54.375,81.35 62.938,81.35 63.66,80.628 63.66,80.59 ; 67.365,70.035 66.105,71.295 R1_H.2@66.105,71.935 65.595,72.445 65.595,78.655 63.66,80.59
5VP_LD_BIAS: CON2.48 R1_B.2 U1_B.2 | length 50.8
  Top Layer w0.5: R1_B.2@91.35,112.9 R1_B.2@91.35,113.59
  Top Layer w0.6: CON2.48@54.375,104.55 91.3,104.55 96.25,109.5 96.25,110.35 95.01,111.59 U1_B.2@93.65,111.59 ; R1_B.2@91.35,112.9 92.66,111.59 U1_B.2@93.05,111.59
5VP_LD_TEC: CON2.17 R1_T.2 U1_T.2 | length 31.7
  Top Layer w0.5: 67.06,57.24 U1_T.2@68.32,57.24
  Top Layer w0.6: CON2.17@54.375,79.75 57.895,79.75 57.985,79.84 58.648,79.84 59.355,79.133 59.355,66.495 66.02,59.83 R1_T.2@66.02,59.14 66.02,58.28 67.06,57.24
BIST1: CON2.45 U4.141 | length 48.8
  Top Layer w0.254: CON2.45@54.375,102.15 78.125,102.15 93.354,86.921 95.071,86.921 95.55,87.4 U4.141@95.55,88.5
BIST2: CON2.46 U4.142 | length 48.1
  Top Layer w0.254: CON2.46@54.375,102.95 78.25,102.95 93.875,87.325 94.638,87.325 95.05,87.737 U4.142@95.05,88.5
BIST3: CON2.47 U4.143 | length 47
  Top Layer w0.254: CON2.47@54.375,103.75 80.088,103.75 94.55,89.288 U4.143@94.55,88.5
CALIB_LD: CON2.22 U4.29 | length 43.6
  Top Layer w0.254: CON2.22@54.375,83.75 74.325,83.75 83.475,74.6 83.475,73.778 85.603,71.65 90.075,71.65 90.975,72.55 U4.29@92.1,72.55
DAC_D0: CON2.1 U4.38 | length 42
  Top Layer w0.254: CON2.1@54.375,66.95 CON2.1@54.425,67 ; CON2.1@55.468,66.95 v2(58.025,66.95) ; v2(94.475,68.975) 94.55,68.9 U4.38@94.55,67.1
  Bottom Layer w0.254: v2(58.025,66.95) 58.025,66.946 58.584,66.946 59.134,67.496 59.134,67.513 60.446,68.825 84.21,68.825 84.446,68.589 90.404,68.589 90.765,68.95 91.062,68.95 91.087,68.975 v2(94.475,68.975)
DAC_D1: CON2.2 U4.35 | length 38.9
  Top Layer w0.254: CON2.2@54.375,67.75 54.572,67.553 54.857,67.839 v2(58.447,67.839) ; v2(90.802,69.577) U4.35@92.039,69.577 ; U4.35@92.056,69.594 U4.35@92.1,69.55
  Bottom Layer w0.254: v2(58.447,67.839) 58.513,67.839 59.95,69.275 84.332,69.275 84.613,68.993 90.237,68.993 90.802,69.559 v2(90.802,69.577)
DAC_D2: CON2.3 U4.40 | length 45.4
  Top Layer w0.254: CON2.3@54.375,68.55 54.424,68.599 54.549,68.475 54.677,68.603 v2@57.863,68.603 ; v2@57.913,68.653 v2@57.863,68.603 ; v2@57.984,68.475 v2(57.86,68.599) v2@57.863,68.603 ; U4.40@95.566,67.691 95.566,68.084 95.646,68.164 95.646,69.258 95.731,69.343 v2(95.731,70.331)
  Bottom Layer w0.254: v2@57.86,68.605 v2@57.865,68.599 ; v2@58.042,68.599 58.336,68.599 59.511,69.775 60.306,69.775 60.325,69.756 62.266,69.756 62.284,69.775 84.409,69.775 84.477,69.707 84.477,69.702 84.781,69.397 89.736,69.397 90.158,69.82 90.158,69.854 90.526,70.221 90.56,70.221 90.693,70.354 95.683,70.354 v2@95.731,70.306
DAC_D3: CON2.4 U4.41 | length 46.9
  Top Layer w0.254: CON2.4@54.375,69.35 54.482,69.457 54.561,69.378 v2(58.228,69.378) ; U4.41@96.05,67.1 96.05,69.091 96.531,69.572 96.531,70.869 v2(96.5,70.9)
  Bottom Layer w0.254: v2(58.228,69.378) 58.31,69.378 59.091,70.16 59.325,70.16 59.344,70.179 60.473,70.179 60.492,70.16 62.098,70.16 62.117,70.179 83.865,70.179 84.647,70.961 96.439,70.961 v2(96.5,70.9)
DAC_D4: CON2.5 U4.43 | length 48.1
  Top Layer w0.254: CON2.5@54.375,70.15 57.725,70.15 v2@57.706,70.169 ; v2(57.878,70.178) v2@57.716,70.178 ; U4.43@97.05,67.1 97.05,70.487 97.181,70.618 97.181,71.519 v2(97.2,71.5) ; v2@57.706,70.169 v2@57.716,70.178 ; v2@57.706,70.169 57.697,70.178 v2@57.716,70.178
  Bottom Layer w0.254: v2@57.731,70.169 57.741,70.178 v2(57.878,70.178) 58.442,70.178 58.827,70.564 59.158,70.564 59.176,70.583 60.64,70.583 60.659,70.564 61.931,70.564 61.95,70.583 83.532,70.583 84.314,71.365 95.54,71.365 95.702,71.527 97.173,71.527 v2(97.2,71.5)
DAC_D5: CON2.6 U4.44 | length 49.8
  Top Layer w0.254: CON2.6@54.375,70.95 54.434,71.009 58.372,71.009 58.372,70.996 v2@58.412,70.955 ; v2(58.332,70.955) v2@58.412,70.955 ; v2@58.45,70.917 v2@58.412,70.955 ; U4.44@97.55,67.1 97.55,70.4 97.881,70.731 97.881,72.052 v2(97.73,72.204)
  Bottom Layer w0.254: v2(58.332,70.955) 58.42,70.955 58.45,70.925 v2@58.48,70.955 ; v2@58.5,71.071 v2@58.432,71.003 ; v2@58.525,70.911 v2@58.48,70.955 ; v2(97.73,72.204) 97.653,72.127 95.702,72.127 95.344,71.769 84.146,71.769 83.472,71.094 58.593,71.094 v2@58.467,70.968 ; v2@58.432,71.003 v2@58.467,70.968 ; v2@58.432,71.003 58.397,70.968 v2@58.467,70.968 ; v2@58.467,70.968 v2@58.48,70.955
DAC_D6: CON2.7 U4.45 | length 50.4
  Top Layer w0.254: CON2.7@54.375,71.75 57.773,71.75 v2@57.878,71.645 ; v2(57.878,71.653) v2@57.878,71.645 ; v2@57.9,71.623 v2@57.878,71.645 ; U4.45@98.05,67.1 98.05,70.15 98.411,70.511 98.411,72.839 v2(98.365,72.885)
  Bottom Layer w0.254: v2@58.142,71.65 60.716,71.65 60.868,71.498 83.304,71.498 83.979,72.173 94.898,72.173 95.556,72.831 v2@98.365,72.831
DAC_D7: CON2.8 U4.46 | length 53
  Top Layer w0.254: CON2.8@54.375,72.55 54.4,72.525 57.806,72.525 58.503,73.222 58.428,73.297 v2(58.428,73.379) ; U4.46@98.55,67.1 98.55,70.079 99.046,70.575 99.046,73.471 v2(99.05,73.475)
  Bottom Layer w0.254: v2(58.428,73.379) 58.428,73.27 58.503,73.195 59.386,74.078 85.897,74.078 86.8,73.175 95.075,73.175 95.466,73.566 v2@99.05,73.566 ; v2@98.94,73.365 v2(99.05,73.475)
DAC_D8: CON2.9 U4.47 | length 54.2
  Top Layer w0.254: CON2.9@54.375,73.35 57.431,73.35 57.878,73.797 v2(57.878,73.979) ; U4.47@99.05,67.1 99.05,69.825 99.731,70.506 99.731,74.219 v2(99.725,74.225)
  Bottom Layer w0.254: v2@57.775,74.031 v2@57.828,73.979 ; v2(57.878,73.979) 57.878,74.023 57.875,74.026 v2@57.828,73.979 ; v2@99.725,74.156 95.031,74.156 94.644,73.769 88.406,73.769 87.693,74.482 59.218,74.482 58.742,74.006 58.151,74.006 57.976,73.831 v2@57.828,73.979